# KiCad board MB1635_good_conversion.kicad_pcb (continued)
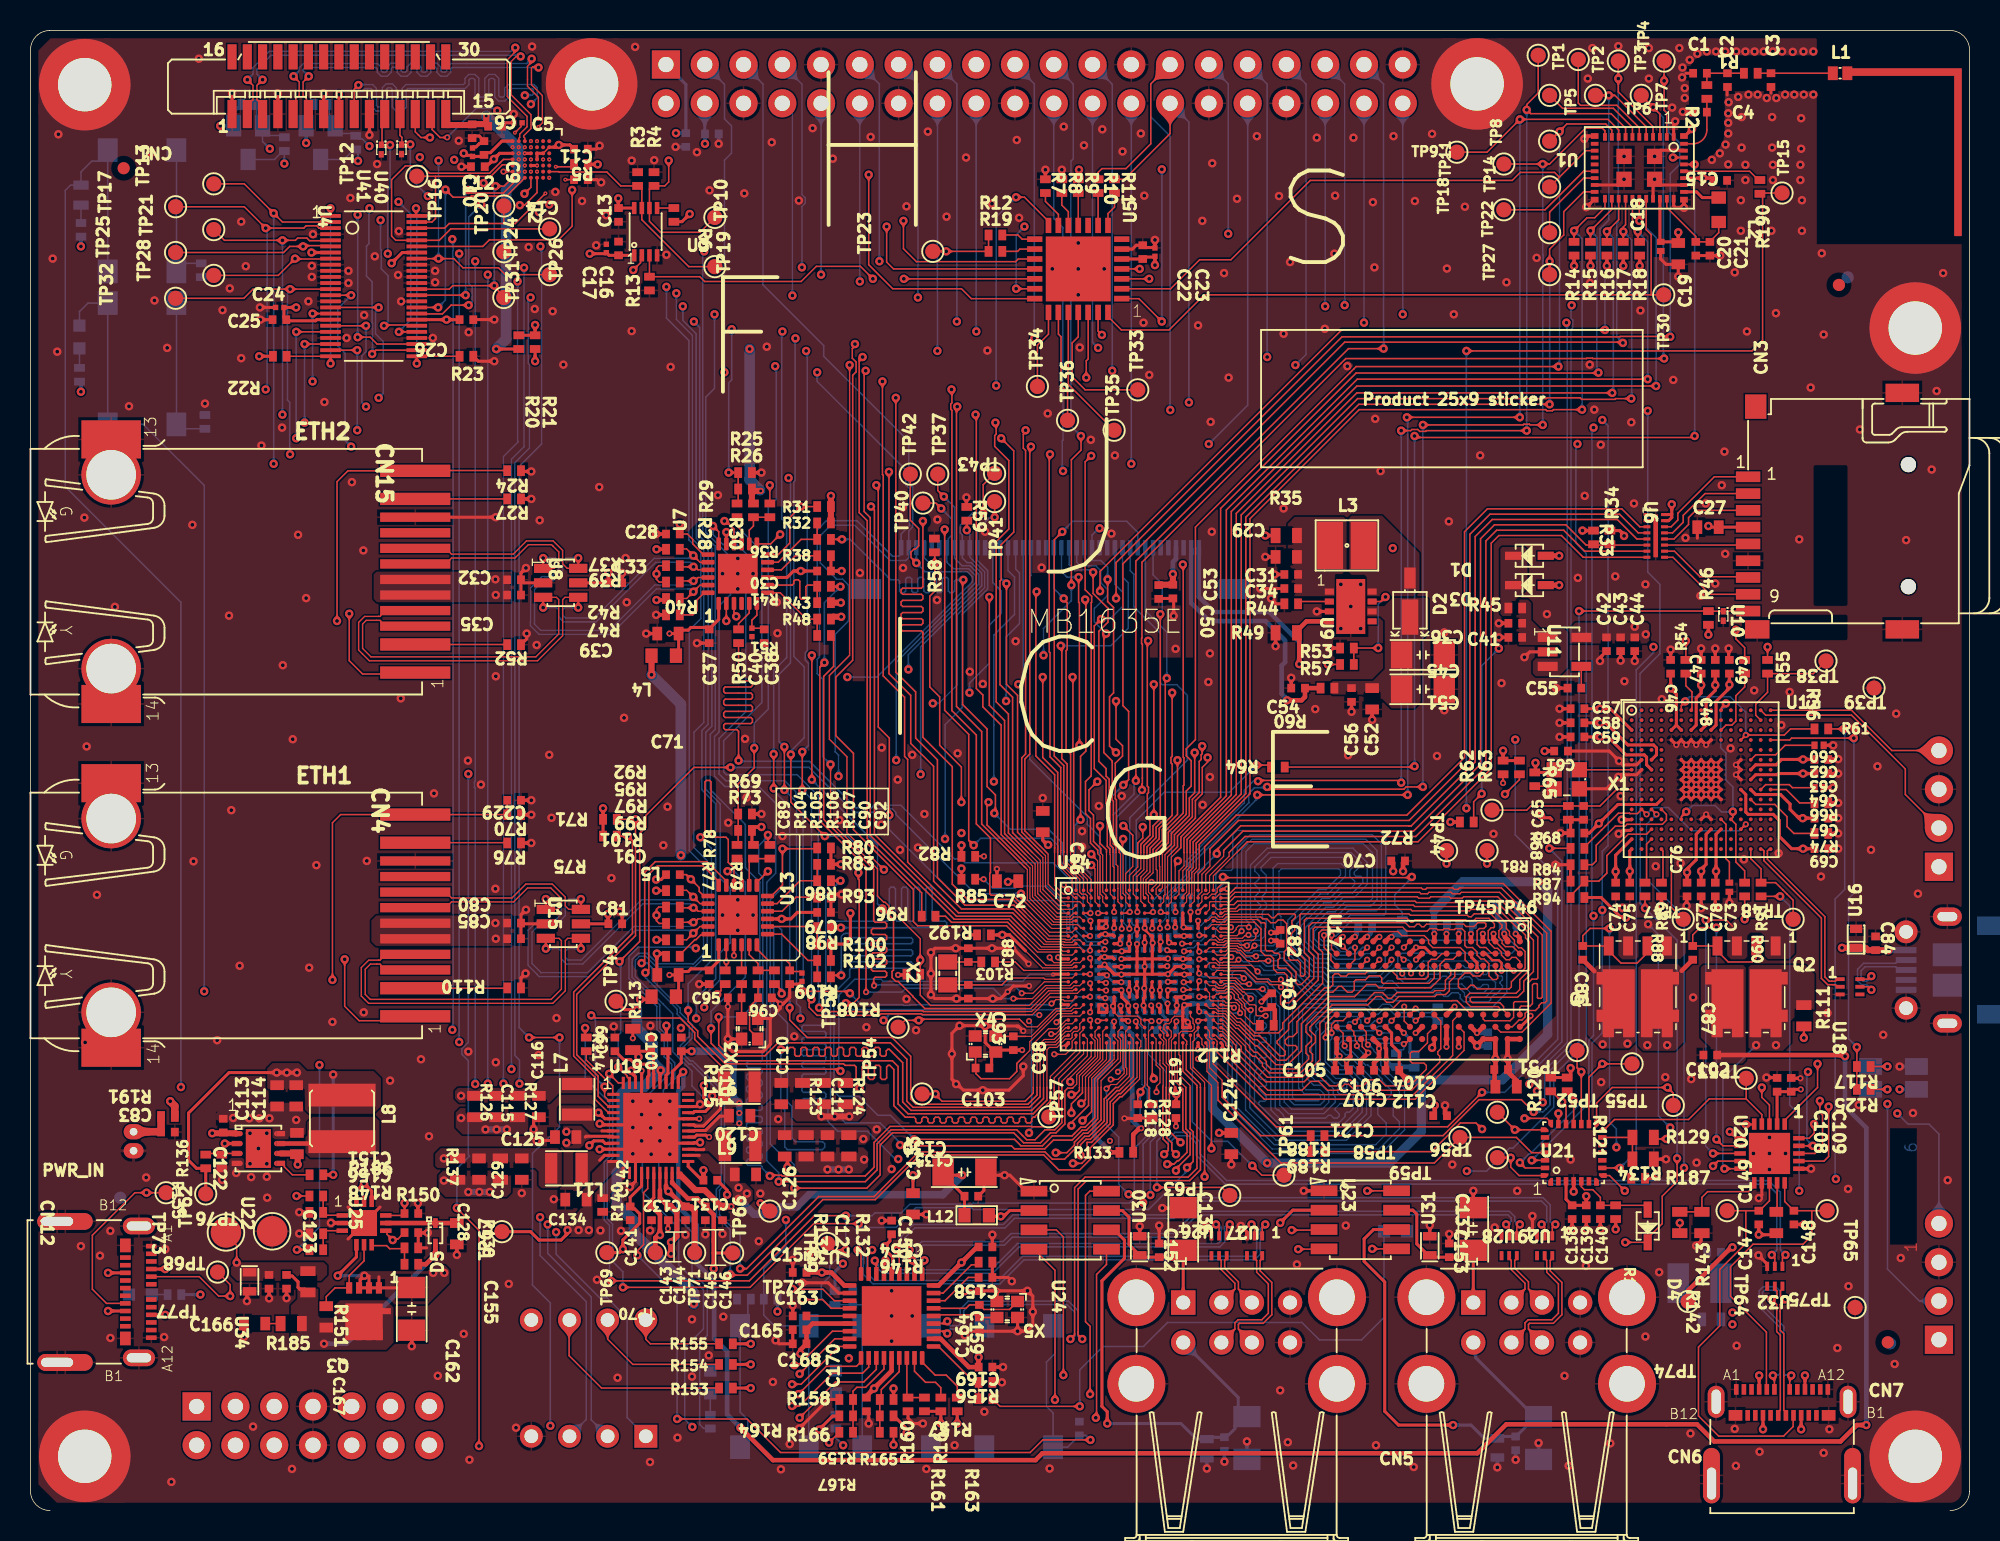
[diagram p0: board, top side]
## Routing (per net, layer and track width the routed paths; a pad name or vN(x,y) marks a point on that pad's centre or on a via; arc(x,y) is an arc through that point) (continued)
  Top Layer w0.23: U14.A1 67.97,40.67 67.68,40.97 v2(67.68,41) ; v2(67.67,30.33) 67.97,30.62 U14.AA1
  Top Layer w0.25: v2(80.63,32.85) 81.15,32.85 ; 88.75,30.9 U17.M9 88.75,30.3 88.8,30.25 v2(88.8,29.53)
  Top Layer w0.3: 96.75,37.3 96.75,37.4 96.57,37.58 96.57,37.72 96.54,37.75 96.54,37.79 96.55,37.8 ; v2(92.74,30.39) 92.74,31.69 ; C70.1 89.9,42.45 89.9,42.03 89.85,41.98 ; 90.75,31.3 91.15,31.7 ; 87.15,37.3 87.43,37.58 87.53,37.58 v2(87.55,37.6) ; 92.63,26.55 92.65,26.53 92.65,26 C121.1 ; C94.1 81.5,32.8 81.5,32 81.4,31.9 ; 95.14,31.69 v2(94.74,31.29) 94.34,31.69 ; 88.75,28.85 88.8,28.9 v2(88.8,29.53) ; v2(81.25,37.88) 81.68,37.88 C82.1 ; 97.54,30.89 96.74,30.89 96.74,29.66 96.64,29.56 96.79,29.41 96.79,28.86 ; v2(87.63,30) 87.1,29.47 87.1,28.85 87.2,28.95 ; v2(93.54,30.39) 93.54,30.89 ; 95.14,37.29 95.13,37.31 95.13,37.39 95.12,37.4 v2(95.12,37.8) ; v2(90.75,36.1) 91.14,36.49 ; 96.79,28.89 96.79,28.72 97.37,28.14 97.37,27.82 ; 85.45,28.85 85.45,29.47 v2(85.75,29.78) 85.55,29.98 85.55,30.9 ; 92.74,37.29 v2(92.74,37.79) ; v2(89.14,37.59) 89.13,37.58 89.03,37.58 88.74,37.29 ; v2(85.95,37.6) 85.93,37.58 85.83,37.58 85.55,37.3 ; 94.34,37.29 94.34,37.77 94.32,37.79
  Signal Layer 1 w0.1: v3(32.38,88.95) 32.39,88.95 32.51,89.07 33.12,89.07 33.29,89.24 33.49,89.24 33.72,89.47
  Bottom Layer w0.09: v2(92.74,37.79) 92.77,37.82
  Bottom Layer w0.1: C194.1 71,35.68 ; 76.47,38.65 76.53,38.7
  Bottom Layer w0.2: 75.58,31.55 75.62,31.5 ; v1(97.28,3.33) C226.1 ; v2(71.45,34.1) 71.45,34.1 71.4,34.05 71.68,33.77 71.68,33.6 71.9,33.38 71.9,33.08 v2(71.9,33.08) ; U38.2 v1(96.08,2.83) ; C201.1 71,35.68 ; v1(77.05,2.75) U39.2 ; C217.2 74.33,32.3 74.1,32.52 C212.1 ; v1(45.08,89.58) C8.1 ; C216.2 75.72,31.58 75.72,31.85 75.8,31.92 75.8,31.95 ; C225.1 v1(79.68,4.53) ; C175.1 C173.1 C171.1 ; C224.1 v1(98.77,4.43) ; v1(122.42,29.1) LD5.4 ; v1(78.2,3.2) C227.1 ; v1(42.25,89.38) C7.2 ; C211.1 75.75,32.07 75.8,32.03
  Bottom Layer w0.3: 70.43,33.05 70.4,33.07 v2(70.4,33.08) 70.4,33.08 70.37,33.1 70,33.1 69.98,33.13 ; 70.43,33.05 70.43,33.03 ; 70.43,33.05 70.28,32.9 70.28,32.58 C215.2 ; v2(75.58,33.13) 75.58,33.1 75.7,32.97 75.7,32.68 75.73,32.65 ; 72.95,34.15 v2(72.95,34.23) ; 72.95,34.15 72.99,34.11 72.99,34.54 73,34.55 ; 72.95,34.15 72.95,33.73 72.98,33.7 ; 69.98,35.98 70.38,35.58 70.44,35.64 ; C189.1 73.48,36.78 73.48,37.12 73.5,37.15 v2(73.5,37.2) 73.5,37.2 73.48,37.23 73.48,37.63 73.45,37.65 ; v2(75.53,35.65) 75.5,35.65 75.45,35.7 75,35.7 C193.1 ; v2(75.53,35.65) 75.54,35.67 75.67,35.67 76,36 ; v2(75.53,35.65) 75.54,35.63 75.82,35.63 76,35.45 ; C202.1 71.89,35.11 71.46,35.11 v2(71.45,35.13) 71.44,35.14 71.01,35.14 C201.1 ; 75.43,38.68 75.45,38.65 75.45,38.28 75.48,38.25 75.48,38.23 75.49,38.21 75.96,38.21 75.98,38.2 ; v2(87.55,37.6) 87.55,37.61 87.77,37.83 87.77,38.14 C181.1 ; 92.77,37.82 C180.2 ; C205.1 71.03,34.08 71.35,34.08 71.37,34.1 v2(71.45,34.1) ; v2(89.14,37.59) 89.17,37.59 89.3,37.72 89.74,37.72 89.85,37.82 ; 74.46,36.16 74.47,36.18 ; 74.47,36.18 v2(74.5,36.18) ; 74.47,36.18 74.45,36.18 74.42,36.15 74.35,36.23 74.03,36.23 C188.1 ; 70.38,35.78 70.65,35.78 70.85,35.58 C194.1 ; 70.38,35.78 v2(70.35,35.78) 70.35,35.73 70.44,35.64 ; 70.38,35.78 70.48,35.68 70.44,35.64 ; U14.L10 v2(72.98,35.65) 73.03,35.7 C195.2 ; 70.44,35.64 70.48,35.6 70.43,35.56 70.08,35.56 70,35.48 ; 73,32.68 72.9,32.78 v2(72.9,33.1) ; 95.42,31.3 94.75,31.3 v2(94.74,31.29) ; 77.23,33.35 77.12,33.25 77.12,33.23 76.08,33.23 C206.1 ; C172.1 96.08,38.75 96.51,38.32 96.51,37.82 v2(96.52,37.8) ; v2(88.8,29.53) 88.8,29.46 89.19,29.07 90.4,29.07 90.45,29.02 ; v2(94.34,37.79) 94.36,37.81 94.36,38.26 94.47,38.37 C179.1 ; v2(71.45,36.15) 71.48,36.15 71.5,36.18 71.9,36.18 C190.1 ; C187.1 71.43,37.6 71.43,37.3 71.33,37.2 71.37,37.15 v2(71.37,37.15) ; U14.E6 70.45,38.63 70.45,38.33 70.43,38.3 70.44,38.29 v2(70.44,38.27) 70.44,38.27 70.4,38.27 70.4,38.28 70.35,38.23 70.03,38.23 70,38.2 ; C199.1 74.96,35.16 74.49,35.16 74.48,35.15 C200.1 ; C214.2 71.93,32.58 71.93,33.02 71.9,33.05 v2(71.9,33.08) ; v2(72.48,37.13) 72.48,37.15 72.52,37.2 72.52,37.6 72.55,37.63 ; v2(71.22,28.75) 71.25,28.75 71.66,29.16 C220.1 71.66,31.02 C219.2 ; 74.1,32.68 74.03,32.75 74.03,33.05 73.98,33.1 v2(73.9,33.1) ; 75.53,33.13 75.58,33.18 75.98,33.18 76.03,33.23 ; v2(72.98,38.18) 72.99,38.19 72.99,38.57 C176.1 73.09,38.69 72.56,38.69 72.55,38.7 ; C184.1 74.58,37.65 74.58,37.33 74.6,37.3 74.58,37.28 v2(74.58,37.23) ; 74.98,34.12 74.52,34.12 v2(74.5,34.1)
  vias: v1(1.45,82.05) v1(1.82,90.2) v1(1.75,75.95) v1(3.3,17.33) v1(3.53,65.08) v1(3.58,30.68) v1(3.68,50.08) v1(4.35,40.35) v1(4.55,16.7) v1(5.22,18.33) v1(5.23,11.31) v1(5.52,59.23) v1(6.45,72.38) v1(7.58,21.83) v1(7.9,89) v1(8.12,79.31) v1(8.82,17.13) v1(8.75,11.37) v1(8.95,76.2) v1(9.22,1.88) v1(10.6,64.6) v1(10.67,42.55) v1(11.03,95.15) v1(11.42,72.55) v1(12.23,30.83) v1(12.58,78.68) v1(12.55,21.68) v1(13,58.65) v1(13.05,80.1) v1(13.15,45.9) v1(13.27,25.73) v1(13.7,35.7) v1(13.8,84.48) v1(13.8,75.53) v1(14.1,81.55) v1(14.32,25.7) v1(14.45,21.85) v1(14.57,5.5) v1(14.99,25.7) v1(15.13,69.8) v1(15.47,21.88) v1(15.5,20.5) v1(15.65,25.7) v1(16.47,70.98) v1(16.52,55.4) v1(17.12,2.73) v1(17.17,50.55) v1(17.4,25.6) v1(17.53,63.95) v1(18.05,59.8) v1(18.2,79.25) v1(18.25,35.58) v1(18.42,81.58) v1(18.42,80.85) v1(18.5,83.65) v1(18.72,42.3) v1(19.25,72.65) v1(19.77,32.03) v1(20.7,76.85) v1(20.82,81.25) v1(20.82,80.45) v1(20.95,86.03) v1(21.05,67.4) v1(21.8,62.93) v1(21.82,32.65) v1(21.85,78.35) v1(22.02,42.58) v1(22.55,82.2) v1(22.7,88.25) v1(23.55,28.18) v1(24.12,83.85) v1(24.08,80.98) v1(24.28,79.25) v1(24.25,53.23) v1(25.57,29.58) v1(26.1,24.53) v1(26.35,76.85) v1(26.43,47) v1(26.5,81.25) v1(26.5,80.5) v1(26.67,8.83) v1(28.05,89.78) v1(28.38,11.58) v1(28.7,77.23) v1(28.65,49.15) v1(28.68,30.08) v1(28.75,3.33) v1(29.5,47.58) v1(30.47,54.68) v1(30.45,40.75) v1(30.47,29.38) v1(31.33,14.85) v1(31.8,5.43) v1(32.17,20.8) v1(32.63,82.8) v1(32.85,95.95) v1(33.02,78.75) v1(33.15,56.73) v1(33.27,29.85) v1(33.35,64.9) v1(33.98,49.53) v1(34.13,45.4) v1(34.2,78.6) v1(34.27,20.4) v1(34.38,86.43) v1(34.45,32.28) v1(34.9,75.1) v1(36.12,85.83) v1(37.05,82.93) v1(37.1,15.13) v1(37.25,67.08) v1(37.33,18.35) v1(37.7,84.9) v1(38.05,41.45) v1(38.2,31.73) v1(38.45,8.7) v1(38.68,18.33) v1(38.88,51.95) v1(38.98,62.43) v1(39.05,59.53) v1(39.38,88.48) v1(39.38,77.3) v1(39.45,26.83) v1(39.45,25.1) v1(39.45,23.38) v1(39.6,95.93) v1(40.02,25.95) v1(40.02,24.23) v1(40.6,31.78) v1(40.62,26.83) v1(40.58,18.35) v1(40.58,3.18) v1(40.65,23.35) v1(40.85,88.5) v1(41.22,25.95) v1(41.22,24.23) v1(41.45,43.6) v1(41.65,82.3) v1(41.73,46.13) v1(41.92,74.95) v1(41.88,26.83) v1(41.88,25.1) v1(41.88,23.35) v1(42.38,4.78) v1(42.6,31.63) v1(42.9,18.08) v1(43.33,12.53) v1(43.33,8.78) v1(43.65,89.03) v1(44.2,18.1) v1(44.42,10.16) v1(44.47,86.53) v1(45.02,66.55) v1(45.33,61.4) v1(45.33,39.03) v1(45.33,18.13) v1(45.38,12.7) v1(45.7,45.08) v1(46.33,62.4) v1(46.33,61.4) v1(46.33,60.4) v1(46.33,40.03) v1(46.33,39.03) v1(46.33,38.03) v1(46.75,86.33) v1(46.8,50.58) v1(46.9,46.73) v1(47.33,61.4) v1(47.33,39.03) v1(47.7,17.65) v1(47.8,20.78) v1(48.22,76.28) v1(48.55,89.68) v1(48.62,8.43) v1(48.87,59.53) v1(48.92,57.5) v1(48.97,25.65) v1(49.15,2.7) v1(49.25,44.2) v1(49.72,4.35) v1(50.02,31.08) v1(50.33,85.85) v1(51,16.8) v1(51.22,90.6) v1(52.55,88.6) v1(52.98,45.25) v1(53.6,9.98) v1(54.33,61.45) v1(54.75,31.68) v1(55.02,90.03) v1(55.43,24.98) v1(55.73,44.95) v1(55.75,50) v1(56.4,22.38) v1(56.4,14.4) v1(56.4,12.75) v1(56.4,11.1) v1(56.8,47.9) v1(56.95,43.3) v1(57.12,65.75) v1(57.15,61.78) v1(57.37,85.48) v1(57.37,33.53) v1(57.75,49.53) v1(57.75,12.75) v1(58,31.48) v1(58.13,43.45) v1(58.55,45.65) v1(58.67,2.73) v1(58.77,90.38) v1(59.4,64.95) v1(59.38,59.68) v1(60,84.8) v1(60.53,4.28) v1(60.73,49.63) v1(60.97,44.4) v1(61.27,88.68) v1(61.52,54.98) v1(62.37,54.18) v1(62.52,64.15) v1(62.47,6.48) v1(62.67,76.03) v1(62.98,85.65) v1(64.53,56.98) v1(64.6,89.83) v1(64.75,84.73) v1(66.22,61.8) v1(66.3,46.7) v1(66.62,71.9) v1(66.75,2.75) v1(66.93,81.38) v1(67.67,90.7) v1(68.62,83.08) v1(68.62,81.38) v1(68.62,79.68) v1(68.72,76.23) v1(68.87,44.53) v1(68.87,43.5) v1(69,89.48) v1(69.45,70.18) v1(69.97,46.18) v1(70.2,90.53) v1(70.33,81.38) v1(70.8,64.03) v1(71.03,69.15) v1(71.52,89.08) v1(71.47,46.83) v1(72.72,90.25) v1(72.9,77.85) v1(72.95,86.18) v1(73.28,74.43) v1(75,56.48) v1(76.47,77.68) v1(76.75,84.53) v1(76.77,46.25) v1(77.15,54.3) v1(77.3,71.35) v1(77.25,56.18) v1(77.25,48.08) v1(77.4,88.3) v1(77.38,64.15) v1(78.17,81.1) v1(78.48,74.25) v1(79.02,85.98) v1(80.33,90.08) v1(81.77,86.15) v1(81.85,7.88) v1(82.08,77.13) v1(82.08,65.68) v1(82.35,4.47) v1(82.5,81.83) v1(82.7,2.95) v1(82.95,16.13) v1(84.15,52.53) v1(84.25,89.98) v1(84.78,77.45) v1(85.4,82.38) v1(85.45,86.18) v1(85.83,60.7) v1(85.83,57.8) v1(86.15,18.68) v1(86.25,75) v1(86.3,49.5) v1(86.47,59.25) v1(86.65,89.98) v1(87.13,60.7) v1(87.13,57.8) v1(87.92,85.75) v1(88.02,81.48) v1(88.08,71.55) v1(88.12,4.28) v1(88.43,68.13) v1(89.22,63.08) v1(89.27,90.08) v1(89.9,41.9) v1(90.6,2.85) v1(90.67,85.83) v1(91.65,18.7) v1(91.8,90.23) v1(92.12,49.45) v1(92.6,57.55) v1(92.65,26.55) v1(92.77,81.4) v1(92.9,64.83) v1(93.12,22.68) v1(93.22,78.4) v1(93.95,85.45) v1(94.95,69.15) v1(95.83,44.35) v1(96.35,54.23) v1(96.67,80.5) v1(96.75,29.61) v1(97.38,20.95) v1(98.65,82.1) v1(99.33,58.75) v1(100.47,8.83) v1(100.74,2.93) v1(100.87,23) v1(101.35,61.13) v1(101.65,64.23) v1(101.8,66.5) v1(101.87,16.03) v1(102,93.85) v1(102.12,75.1) v1(102.15,80.45) v1(102.3,95.85) v1(102.43,72.15) v1(102.85,69.85) v1(102.87,28.08) v1(103.47,4.4) v1(103.8,61.23) v1(104,95.98) v1(104,48.08) v1(104.15,46.83) v1(104.27,39.5) v1(104.37,88.75) v1(104.4,54.35) v1(104.85,71.33) v1(105.03,66) v1(105.45,78.65) v1(105.77,60.7) v1(105.77,11.4) v1(106,95.85) v1(106,93.85) v1(106.45,42.23) v1(106.68,15.62) v1(106.85,53.18) v1(107.08,28.4) v1(107.53,91.95) v1(107.6,74.1) v1(107.92,80.88) v1(108,95.85) v1(108.08,42.43) v1(108.2,94.58) v1(108.17,93.93) v1(108.22,91.68) v1(108.35,93.23) v1(108.35,92.58) v1(108.4,63.75) v1(108.68,95.08) v1(108.73,5.05) v1(108.78,28.28) v1(108.9,33.63) v1(109.13,22.8) v1(109.18,95.48) v1(109.37,59.95) v1(109.72,66) v1(109.8,95.63) v1(110.13,88.53) v1(110.4,95.63) v1(110.35,60.75) v1(110.65,88.95) v1(110.77,67.2) v1(111,95.63) v1(111.02,89.53) v1(110.95,69.4) v1(111,62.7) v1(111.22,92.3) v1(111.2,91.58) v1(111.2,90.95) v1(111.2,90.25) v1(111.2,88.23) v1(111.35,49.95) v1(111.63,81.15) v1(111.63,5.35) v1(111.73,95.63) v1(111.7,2.93) v1(111.75,10.8) v1(111.85,92.65) v1(112.03,85.88) v1(112.03,83.88) v1(112.08,91.33) v1(112.08,89.33) v1(112.22,42.68) v1(112.33,95.63) v1(112.33,88.2) v1(112.33,87.2) v1(112.42,77.28) v1(112.53,92.8) v1(112.93,95.63) v1(112.9,53.75) v1(112.85,23.4) v1(113.13,92.8) v1(113.25,3.85) v1(113.53,95.63) v1(113.72,92.58) v1(113.9,24.45) v1(113.9,23.4) v1(113.9,22.35) v1(114.03,83.88) v1(114.13,95.63) v1(114.08,91.33) v1(114.08,89.33) v1(114.13,88.2) v1(114.13,87.2) v1(114.33,78.48) v1(114.35,92.58) v1(114.5,43.08) v1(114.73,95.63) v1(114.67,51.48) v1(114.93,92.8) v1(114.95,23.4) v1(115.23,53.65) v1(115.43,95.6) v1(115.53,92.8) v1(115.93,88.2) v1(115.93,87.2) v1(115.85,63.65) v1(115.98,91.25) v1(115.98,89.25) v1(116.03,85.88) v1(116.03,83.88) v1(116.13,95.63) v1(116.15,92.8) v1(116.6,73.6) v1(116.78,95.63) v1(116.78,92.8) v1(117.33,82.4) v1(117.27,41.55) v1(117.45,77.08) v1(117.45,3.78) v1(117.7,32.6) v1(117.83,5.33) v1(118.35,10.65) v1(119.05,21.08) v1(119.08,14.7) v1(119.47,51.3) v1(119.83,70.85) v1(119.75,26.58) v1(120.55,43.3) v1(120.97,48.78) v1(121.35,31.18) v1(122.1,9.6) v1(122.2,52.23) v1(122.5,16.55) v1(122.85,63.6) v1(123.3,26.05) v1(123.62,40.43) v1(124.52,68.23) v1(124.85,73.38) v1(125.28,81.1) v1(125.58,21.65) v2(63.3,42.05) v2(71.89,32.07) v3(31.58,89.35) v3(31.97,87.75) v3(33.98,88.55) v3(33.98,87.35) v3(66.97,35.13) v3(67.52,33.18)
GNDDetect: length 5.5
  Top Layer w0.1: R74.2 115.5,44.38 115.05,44.83 115.05,45.48 114.25,46.28 113,46.28 U12.K13
VBUS_MEAS: length 3.4
  Top Layer w0.1: U21.13 R129.1 R134.2
VDD: length 171.5
  Top Layer w0.075: U14.W11 72.73,31.9 72.73,32.18 72.73,32.19 72.51,32.4 71.22,32.4 U14.U7 ; 66.75,36.2 67.05,35.9 68.08,35.9 68.3,36.13 68.45,36.13 U14.K2 ; U14.Y18 76.72,30.9 76.72,30.55 76.85,30.43 76.85,29.98 v2(76.47,29.6) ; U14.V2 68.22,31.9 67.83,31.9 67.15,31.23 v2(66.85,31.23)
  Top Layer w0.09: 66.75,36.2 v2(66.75,36.25) ; v2(75,39.23) 75,39.2 74.99,39.19 74.99,39.64 U14.C15 ; v2(70.4,33.58) 70.44,33.58 70.45,33.58 70.41,33.62 70,33.62 U14.R5 ; 73.65,28.28 73.48,28.45 U14.AA12 ; v1(73.58,28.3) 73.62,28.3
  Top Layer w0.175: U14.J7 v2(71.47,36.65) U14.J9 71.98,37.13 v2(71.95,37.15) ; U14.N12 73.45,34.63 v2(73.45,34.1) 73.45,33.68 U14.R12
  Top Layer w0.2: v2(74.02,37.27) 74.02,37.27 74,37.25 ; R108.2 57.33,35.1 v2(56.83,35.1) ; U25.12 21.34,20.94 v1(21.84,21.44) 22.34,20.94 U25.10 ; 74,37.25 74,37.2 73.98,37.18 U14.J13 ; 74,37.25 73.98,37.22 U14.G13 ; v2(73.48,38.15) U14.E12 ; v1(109.9,57.4) R46.1 ; v1(61.27,37.73) R192.2 ; v2(71.45,34.63) 71.43,34.65 U14.N7 ; 70.93,33.14 70.98,33.19 U14.R7 ; R120.2 R121.1 100.77,28.25 100.87,28.35 v1(100.87,29) ; v1(37.5,46.03) R71.2 R75.2 ; v1(103.25,81.58) R16.1 ; U14.G9 71.97,37.64 71.97,37.62 71.97,37.62 71.97,37.17 v2(71.95,37.15) ; U20.2 C108.2 C109.2 115.47,27.6 v2(115.95,27.6) ; v1(102.17,81.58) R15.1 ; v1(33.05,75.33) R21.2 ; R82.2 v1(60.97,43.6) ; v1(104.5,38.86) 104.45,38.91 104.14,38.91 102.87,40.18 R94.2 ; C15.2 110.07,87.33 U1.36 ; U19.42 39.62,28.43 39.42,28.63 39.42,28.76 v1(39.35,28.83) ; R187.2 106.25,21.78 v1(106.53,22.05) ; v1(105.4,81.58) R18.1 ; U19.31 43.4,26.08 43.41,26.07 43.49,26.15 43.53,26.15 43.53,26.15 44.2,26.15 44.52,26.47 44.52,26.63 44.1,27.05 v1(44.1,27.85) ; v1(104.33,81.58) R17.1 ; U14.U7 70.97,32.96 70.93,33.01 70.95,33.04 70.91,33.08 70.87,33.04 70.88,33.03 70.9,33.04 v2(70.9,33.05) ; v1(101.9,20.6) C139.2 C138.2 100.58,20.4 U21.3 ; U14.E17 v2(75.98,39.23) ; v1(103.83,18.43) R141.2 ; R155.2 v1(47.17,10.93) ; U14.R9 71.98,34.08 v2(71.95,34.1) 71.98,34.13 U14.N9 ; R63.2 R62.2 v1(96.45,49.8) ; R154.2 v1(47.17,9.58) ; v1(93,45.13) R72.2 ; R153.2 v1(47.17,8.03) ; U14.M5 69.98,35.15 70.37,35.15 70.45,35.08 v2(70.5,35.08) ; v1(101.1,81.58) R14.1 ; v1(12.73,24.05) U22.2
  Top Layer w0.4: v1(53.62,25.83) v1(52.67,25.83) v1(51.8,25.83)
  Signal Layer 1 w0.4: v1(53.62,25.83) v1(52.67,25.83) v1(51.8,25.83)
  Signal Layer 2 w0.4: v1(3.3,73.33) 3.3,73.34 ; 3.3,73.34 v1(3.3,82.85) ; 3.3,73.34 3.3,73.34 ; v1(33.05,75.33) 32.32,74.6 8.63,74.6 7.05,73.03 3.62,73.03 3.3,73.34 ; v1(51.8,25.83) v1(52.67,25.83) v1(53.62,25.83) ; 3.3,73.34 3.41,73.23
  Signal Layer 3 w0.2: v1(54.3,26.33) 54.3,26.65 54.45,26.8 57.21,26.8 58.47,25.54 58.47,20.97 55.7,18.2 49.83,18.2 46.38,14.75 45.31,14.75 44.47,13.92 44.47,11.63 43.42,10.57 33,10.57 28.18,5.75 27.19,5.75 CN14.13
  Signal Layer 3 w0.4: v1(53.62,25.83) v1(52.67,25.83) v1(51.8,25.83)
  Signal Layer 4 w0.4: v1(51.8,25.83) v1(52.67,25.83) v1(53.62,25.83)
  Bottom Layer w0.09: 74,37.65 74,37.65
  Bottom Layer w0.15: C201.2 70.9,34.7 70.85,34.7 70.5,35.05 v2(70.5,35.08)
  Bottom Layer w0.2: R180.2 52.69,15.66 v1(53.21,16.18) ; 72,33.97 72.28,33.69 C209.2 ; v1(3.3,82.85) 3.3,83.48 R172.2 ; v2(75.98,39.23) C171.2 ; v1(48.92,13.04) R181.2 ; v1(3.3,73.33) 3.3,73.89 R174.2 ; 73.52,38.55 C176.2
  Bottom Layer w0.3: v2(71.95,34.1) 71.95,34.5 C202.2 71.83,34.63 v2(71.45,34.63) 71.03,34.63 C201.2 ; v2(75,39.23) 74.88,39.35 C173.2 ; 69.98,33.68 70.08,33.58 v2(70.4,33.58) 70.92,33.58 70.92,33.58 C205.2 70.87,33.38 70.9,33.35 70.9,33.34 v2(70.9,33.05) 70.9,33.03 70.9,33.03 70.87,33.05 70.89,33.06 70.89,32.75 70.83,32.69 70.83,32.58 C215.1 ; v2(73.45,34.1) 73.45,33.78 73.53,33.7 ; v2(70.5,35.08) 70.48,35.06 70.41,35.06 70.38,35.03 70.26,35.03 70.25,35.03 70.25,35.03 70.12,34.9 70,34.9 69.98,34.88 ; v2(71.48,36.65) 71.53,36.71 71.56,36.71 71.6,36.75 C190.2 71.95,36.78 v2(71.95,37.15) ; v2(74.02,37.27) 74.02,37.62 74,37.65 ; 73.52,38.19 73.52,38.55
  vias: v1(109.55,87.33)
VDD_ADC: length 53.7
  Top Layer w0.2: U14.U8 71.4,32.73 v2(71.4,33.08) ; U19.23 43.08,22.55 44.05,21.58
  Top Layer w0.3: R133.2 72.22,24.65 72.61,25.03 72.73,25.03 v2(72.75,25.05) ; C132.2 v1(44.08,22.3)
  Top Layer w0.5: TP66.1 48.33,19.63 v2(47.8,20.15)
  Signal Layer 4 w0.5: v2(72.75,25.05) 71.92,24.23 v2(70.7,24.23) 69.63,25.3 69.63,27.6 68.51,28.72 66.92,28.72 64.15,25.95 55.18,25.95 53.9,24.68 51.62,24.68 51.33,24.38 51.33,21.23 50.59,20.5 48.85,20.5 48.5,20.15 v2(47.8,20.15) ; v1(44.08,22.3) 47.17,22.3 47.8,21.68 47.8,21.67 48.17,21.3 48.17,21.3 48.97,20.5
  Bottom Layer w0.3: v2(72.75,25.05) 72.68,25.05 72.15,25.57 72.15,31.22 71.71,31.66 71.67,31.66 71.45,31.89 71.45,32.2 71.38,32.28 71.38,32.53 C214.1 71.38,32.58 71.38,33.05 v2(71.4,33.08)
VDD_CORE: length 73.4
  Top Layer w0.2: C133.2 v1(57.8,21.98) ; 73.97,34.13 U14.N13 ; 73.97,34.13 v2(73.97,34.1) ; 73.98,34.13 v2(73.98,34.1) ; v2(73.97,34.1) U14.R13 ; U14.N10 72.45,34.63 v2(72.45,34.23) ; U14.U12 73.48,33.1 ; U14.L7 71.43,35.65 v2(71.45,35.63) 71.47,35.65 U14.L9 ; v2(74.5,34.65) U14.N15 ; U14.J11 v2(72.97,37.23) 72.97,37.2 U14.G11 ; v2(74.45,36.73) 74.53,36.65 U14.J15 ; U14.U14 74.48,33.18 ; U19.27 43.5,24.48 43.63,24.6 44.22,24.6 44.31,24.51 44.41,24.51 v2(44.45,24.48) ; v2(74.45,35.68) 74.47,35.68 74.47,35.68 74.45,35.65 U14.L13 ; U14.R10 72.47,34.23 ; v1(77.85,24.75) C124.2
  Signal Layer 1 w0.4: v1(53.6,22.35) v1(52.93,22.35) v1(52.2,22.35)
  Signal Layer 2 w0.4: v1(53.6,22.35) v1(52.93,22.35) v1(52.2,22.35) 51.47,23.08 45.85,23.08 v2(44.45,24.48)
  Signal Layer 3 w0.2: v1(54.6,23) 54.58,23.03 54.58,23.36 54.69,23.48 55.15,23.48 55.45,23.18 55.45,22.34 53.58,20.48 49.28,20.48 48.16,19.35 42.12,19.35 42.11,19.35 38.46,19.35 37.8,18.69 37.8,17.83 37.12,17.15 32.16,17.15 23.9,8.89 23.11,8.89 CN14.9
  Signal Layer 3 w0.4: v1(52.2,22.35) v1(52.93,22.35) v1(53.6,22.35)
  Bottom Layer w0.2: 72.45,34.6 72.48,34.58 72.45,34.55 v2(72.45,34.23) ; C196.2 71.7,35.65 71.68,35.63 v2(71.45,35.63) ; 74.46,35.64 74.47,35.65 74.45,35.67 v2(74.45,35.68) 74.45,35.68 74.42,35.65 74.4,35.68 74.03,35.68 C195.1 ; C188.2 74.38,36.8 v2(74.45,36.73) ; 73.5,33.09 73.49,33.08 73.49,32.71 C213.2 ; C189.2 72.98,36.83 v2(72.97,37.23) ; 74.47,34.65 74.45,34.63 74.03,34.63 C200.2 73.98,34.58 v2(73.98,34.1) 73.99,34.08 73.99,33.94 74.03,33.91 74.03,33.71 74.43,33.31 74.43,33.3 74.48,33.25 v2(74.48,33.23) 74.48,33.2 ; 74.48,34.65 v2(74.5,34.65) 74.51,34.64 74.96,34.64 C199.2
  Bottom Layer w0.4: v1(52.2,22.35) v1(52.93,22.35) v1(53.6,22.35)
  vias: v2(73.4,33.1)
